# Altium PCB 小车PCB升级1.PcbDoc (part 4 of 4)
Units mm, origin at the board's own origin, x right, y up, seen from the top; angles counter-clockwise.
Board outline 300 x 206 mm, 2 copper layers (Top Layer, Bottom Layer); 354 components, 360 nets, 1479 pads, 401 vias.
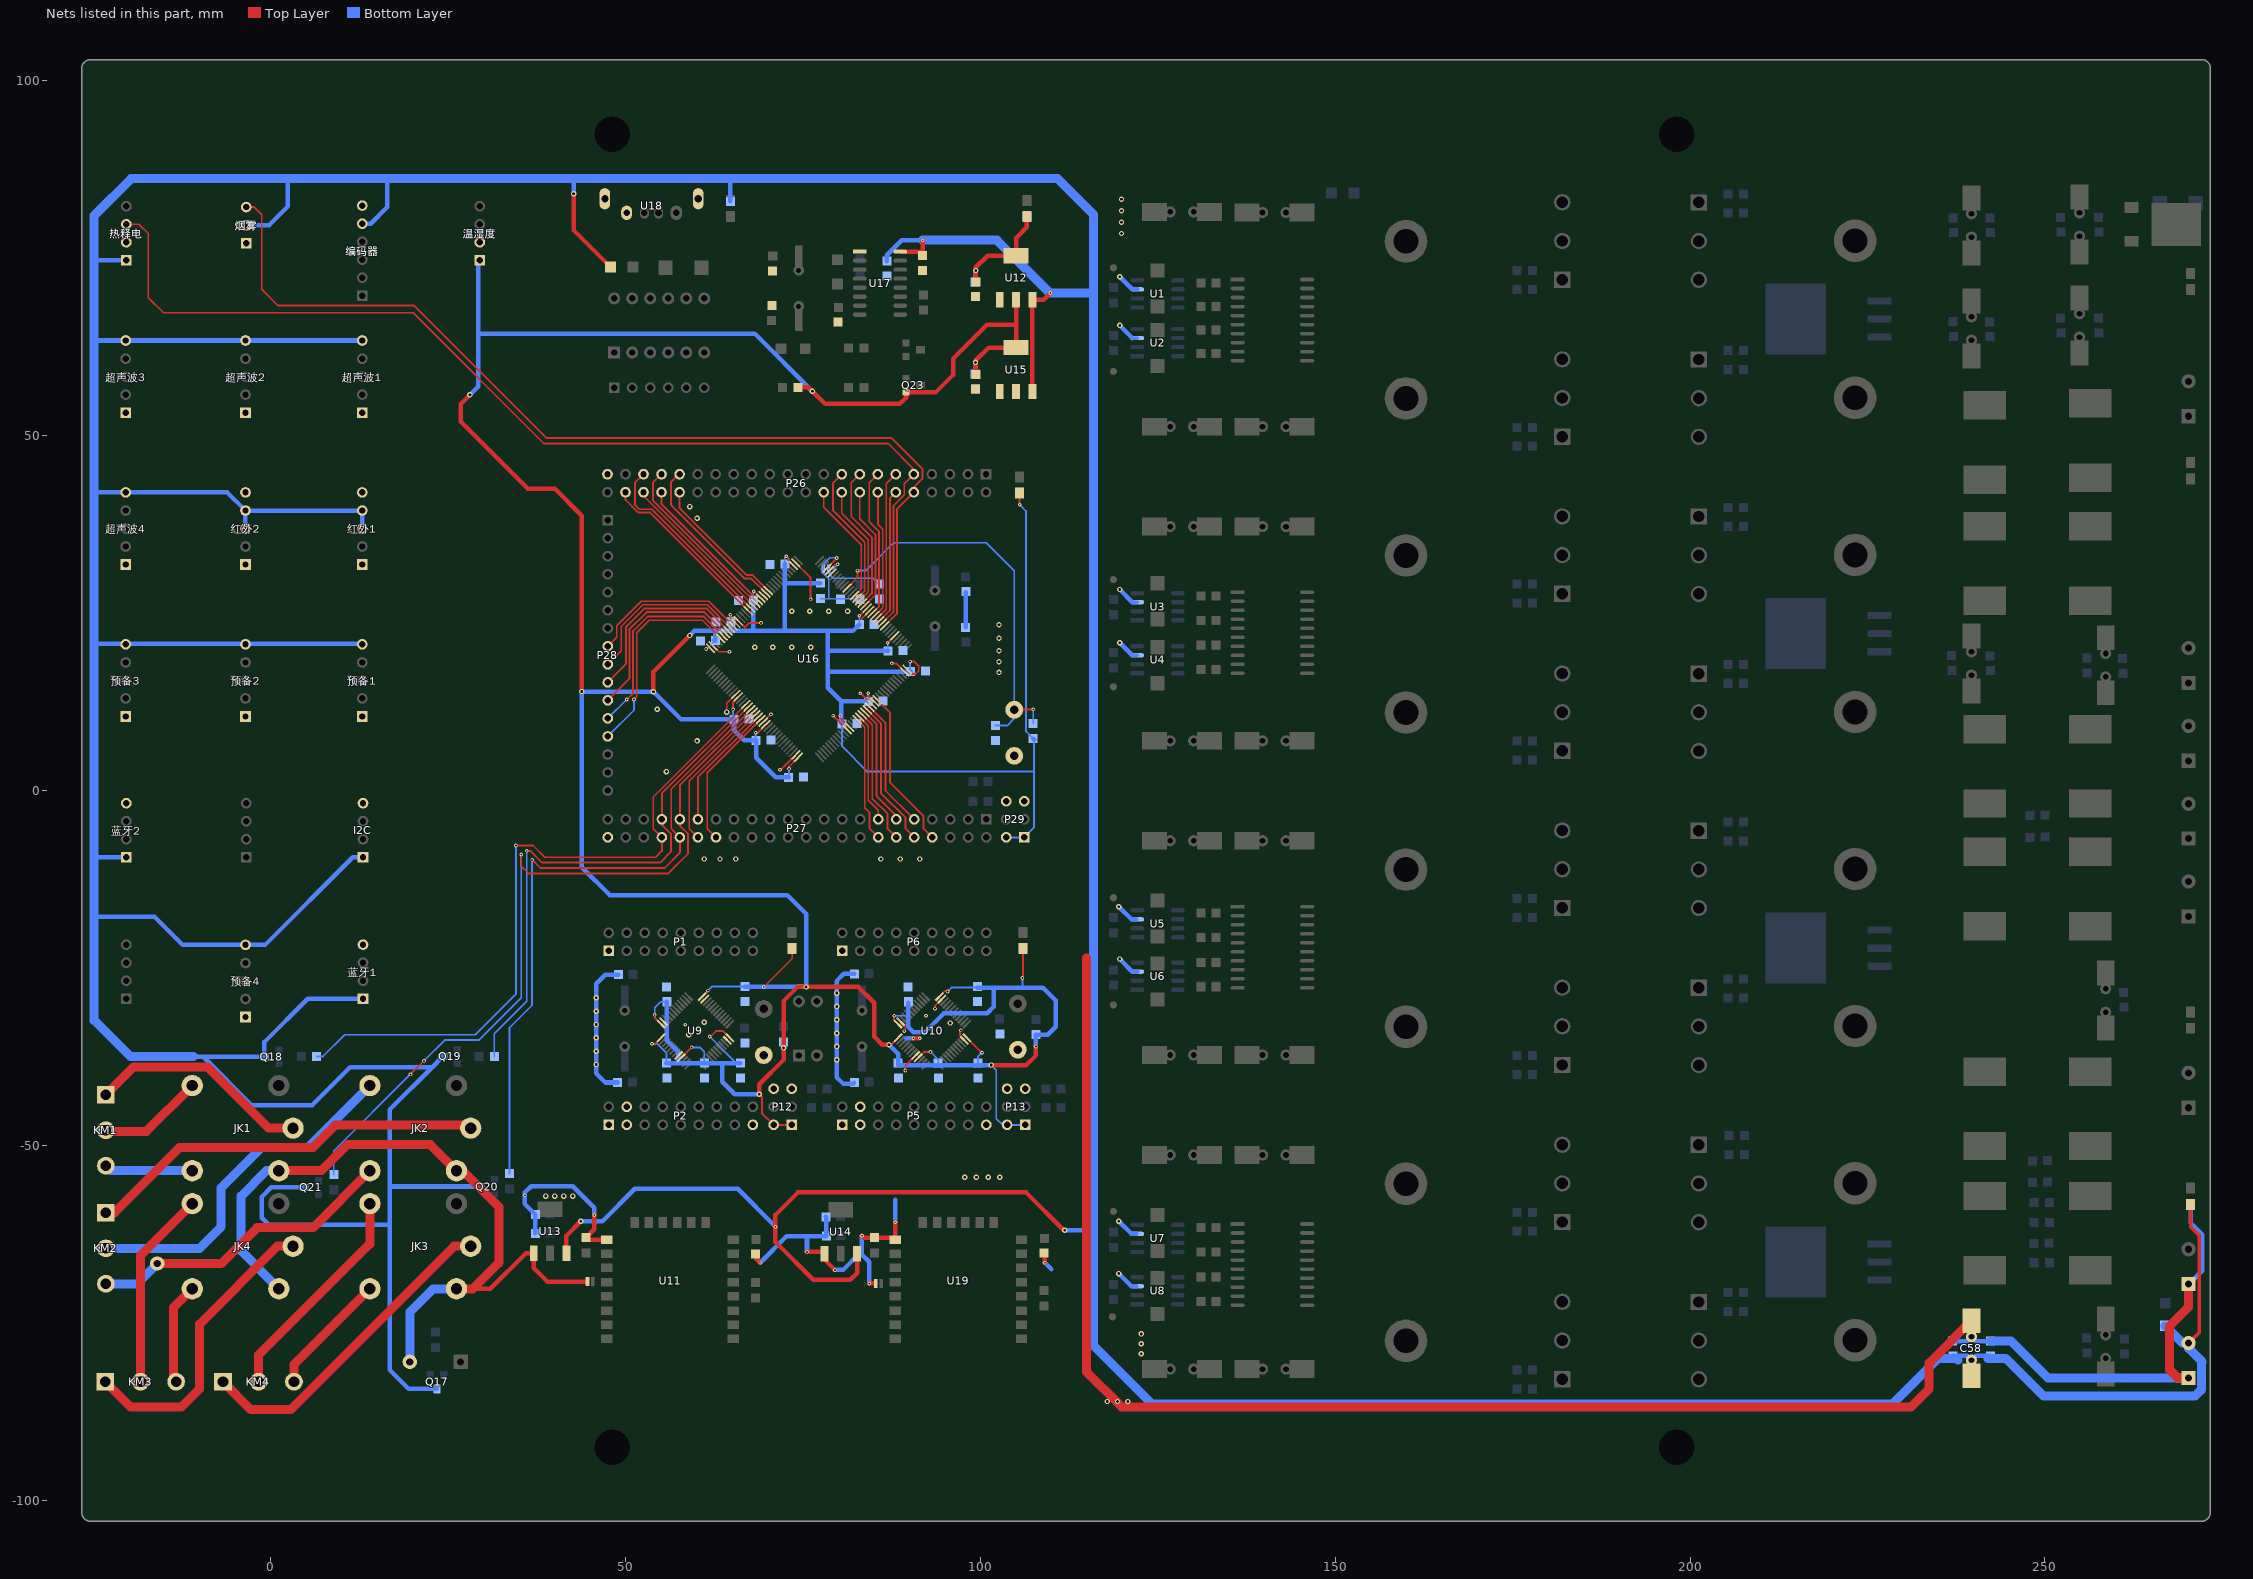
[diagram p4: the nets of this part, all layers, seen from the top]

## Via types
v1: diameter 0.508, hole 0.254, Top Layer to Bottom Layer, 231 vias
v2: diameter 0.762, hole 0.381, Top Layer to Bottom Layer, 119 vias
v3: diameter 3, hole 1.5, Top Layer to Bottom Layer, 29 vias
v4: diameter 6, hole 6, Top Layer to Bottom Layer, 8 vias
v5: diameter 4, hole 2, Top Layer to Bottom Layer, 8 vias
v6: diameter 1.27, hole 0.635, Top Layer to Bottom Layer, 2 vias
v7: diameter 0.381, hole 0.203, Top Layer to Bottom Layer, 1 vias
v8: diameter 2, hole 1, Top Layer to Bottom Layer, 1 vias
v9: diameter 0.762/0.635 (per signal layer), hole 0.381, Top Layer to Bottom Layer, 1 vias
v10: diameter 0.406, hole 0.203, Top Layer to Bottom Layer, 1 vias

## Nets (pads, with @x,y where several pads share a name; then routed paths per layer and width w, separated by ;. In a path a pad name is that pad's centre, name@x,y a point inside that pad or via, vN(x,y) a via of type N, cw(c..) or ccw(c..) an arc to the next point about the centre after c; other vN are vias at no path point) (continued)
PE10: P28.8 U16.63 | length 22.9
  Top Layer w0.254: P28.8@47.498,20.32 48.768,21.59 48.768,23.241 52.197,26.67 61.708,26.67 63.627,24.751 63.627,24.74 63.983,24.384 63.994,24.384 U16.63@65.159,23.22 U16.63@65.338,23.04
PE11: P28.9 U16.64 | length 24.4
  Top Layer w0.254: P28.9@47.498,17.78 49.403,19.685 49.403,23.114 52.451,26.162 61.509,26.162 U16.64@64.985,22.687
PE12: P28.10 U16.65 | length 25.9
  Top Layer w0.254: P28.10@47.498,15.24 50.038,17.78 50.038,22.987 52.705,25.654 61.341,25.654 64.631,22.364 U16.65@64.631,22.333
PE13: P28.11 U16.66 | length 27.3
  Top Layer w0.254: P28.11@47.498,12.7 50.546,15.748 50.546,22.733 52.959,25.146 61.111,25.146 U16.66@64.277,21.979
PE14: P28.12 U16.67 | length 28.7
  Top Layer w0.254: v1(50.165,12.827) 51.054,13.716 51.054,22.479 53.086,24.511 61.039,24.511 U16.67@63.744,21.806 U16.67@63.924,21.626
  Bottom Layer w0.254: P28.12@47.498,10.16 v1(50.165,12.827)
PE15: P28.13 U16.68 | length 30.2
  Top Layer w0.254: v1(51.181,12.827) 51.562,13.208 51.562,22.225 53.34,24.003 60.84,24.003 U16.68@63.391,21.452 U16.68@63.57,21.272
  Bottom Layer w0.254: P28.13@47.498,7.62 51.181,11.303 v1(51.181,12.827)
PF0: P26.10 U16.10 烟雾.3 | length 141.3
  Top Layer w0.254: 烟雾.3@-3.471,82.216 -2.333,82.216 -1.27,81.153 -1.27,70.612 1.016,68.326 20.193,68.326 38.862,49.657 87.503,49.657 91.821,45.339 91.821,43.942 90.628,42.749 P26.10@90.628,42.037 88.265,39.674 88.265,24.966 U16.10@86.339,23.04
PF1: P26.9 U16.11 热释电.3 | length 154.4
  Top Layer w0.254: 热释电.3@-20.347,79.801 -18.578,79.801 -17.263,78.486 -17.263,69.46 -15.113,67.31 20.066,67.31 38.481,48.895 86.995,48.895 90.628,45.262 P26.9@90.628,44.577 89.281,43.23 89.281,41.656 87.757,40.132 87.757,25.165 U16.11@85.986,23.394
PF2: P26.12 U16.12 | length 19.3
  Top Layer w0.254: U16.12@85.632,23.747 87.249,25.364 87.249,41.198 P26.12@88.088,42.037
PF3: P26.11 U16.13 | length 21.6
  Top Layer w0.254: U16.13@85.279,24.101 U16.13@85.458,24.28 86.741,25.563 86.741,43.23 P26.11@88.088,44.577
PF4: P26.14 U16.14 | length 18.4
  Top Layer w0.254: U16.14@84.925,24.454 U16.14@85.105,24.634 86.233,25.762 86.233,36.83 85.548,37.515 P26.14@85.548,42.037
PF5: P26.13 U16.15 | length 21.3
  Top Layer w0.254: U16.15@84.571,24.808 U16.15@84.751,24.988 85.725,25.961 85.725,36.449 84.328,37.846 84.328,43.357 P26.13@85.548,44.577
PF6: P26.16 U16.18 | length 17.8
  Top Layer w0.254: P26.16@83.008,42.037 83.008,38.277 85.217,36.068 85.217,27.575 U16.18@83.69,26.048 U16.18@83.511,25.869
PF7: P26.15 U16.19 | length 20.7
  Top Layer w0.254: P26.15@83.008,44.577 81.788,43.357 81.788,38.608 84.709,35.687 84.709,27.774 U16.19@83.337,26.402 U16.19@83.157,26.222
PF8: P26.18 U16.20 | length 17.6
  Top Layer w0.254: P26.18@80.468,42.037 80.468,39.039 84.201,35.306 84.201,27.973 U16.20@82.983,26.755 U16.20@82.804,26.576
PF9: P26.17 U16.21 | length 20.5
  Top Layer w0.254: P26.17@80.468,44.577 79.248,43.357 79.248,39.437 83.693,34.992 83.693,28.172 U16.21@82.63,27.109 U16.21@82.45,26.929
PF10: P26.20 U16.22 | length 17.4
  Top Layer w0.254: P26.20@77.928,42.037 77.928,39.928 83.21,34.646 83.21,28.397 U16.22@82.276,27.462 U16.22@82.097,27.283
PF11: P26.36 U16.49 | length 19.8
  Top Layer w0.254: P26.36@57.608,42.037 57.608,39.801 67.056,30.353 67.925,30.353 U16.49@70.108,28.169 U16.49@70.288,27.99
PF12: P26.35 U16.50 | length 23.5
  Top Layer w0.254: P26.35@57.608,44.577 57.531,44.577 56.388,43.434 56.388,40.259 66.785,29.862 67.708,29.862 U16.50@69.802,27.769
PF13: P26.38 U16.53 | length 21.2
  Top Layer w0.254: P26.38@55.068,42.037 55.068,40.334 68.826,26.576 U16.53@68.874,26.576
PF14: P26.37 U16.54 | length 24.9
  Top Layer w0.254: P26.37@55.068,44.577 53.848,43.357 53.848,40.894 U16.54@68.52,26.222
PF15: P26.40 U16.55 | length 22.6
  Top Layer w0.254: P26.40@52.528,42.037 52.528,41.507 U16.55@68.167,25.869
PG0: P26.39 U16.56 | length 27.4
  Top Layer w0.254: P26.39@52.528,44.577 51.308,43.357 51.308,40.259 51.943,39.624 53.704,39.624 U16.56@67.633,25.695 U16.56@67.813,25.515
PG1: P26.42 U16.57 | length 25.1
  Top Layer w0.254: P26.42@49.988,42.037 49.988,40.944 51.778,39.154 53.467,39.154 U16.57@67.28,25.341 U16.57@67.459,25.161
PG2: P27.38 R85.1 U16.87 | length 101.1
  Top Layer w0.254: v1(34.544,-7.747) 36.957,-7.747 38.608,-9.398 54.229,-9.398 55.118,-8.509 P27.38@55.118,-6.604 53.898,-5.384 53.898,-0.916 U16.87@67.106,12.292
  Bottom Layer w0.254: R85.1@6.477,-37.465 7.366,-37.465 10.414,-34.417 28.829,-34.417 34.544,-28.702 v1(34.544,-7.747)
PG3: P27.37 R86.1 U16.88 | length 78.7
  Top Layer w0.254: v1(36.068,-8.509) 36.576,-8.509 38.227,-10.16 54.864,-10.16 56.388,-8.636 56.388,-6.096 55.118,-4.826 P27.37@55.118,-4.064 55.118,-0.403 U16.88@67.459,11.939
  Bottom Layer w0.254: R86.1@31.496,-37.465 31.496,-34.29 36.068,-29.718 v1(36.068,-8.509)
PG4: P27.36 R87.1 U16.89 | length 93.3
  Top Layer w0.254: v1(36.83,-9.779) 37.973,-10.922 55.499,-10.922 57.658,-8.763 P27.36@57.658,-6.604 56.438,-5.384 56.438,0.21 U16.89@67.633,11.405 U16.89@67.813,11.585
  Bottom Layer w0.254: R87.1@33.655,-53.975 33.655,-33.401 36.83,-30.226 v1(36.83,-9.779)
PG5: P27.35 R88.1 U16.90 | length 110.5
  Top Layer w0.254: v1(19.685,-40.005) v1(21.59,-38.1) ; v1(35.306,-9.017) 35.306,-10.668 36.322,-11.684 56.007,-11.684 58.801,-8.89 58.801,-6.096 57.658,-4.953 P27.35@57.658,-4.064 57.658,0.723 U16.90@68.167,11.231
  Bottom Layer w0.254: R88.1@8.89,-54.102 8.89,-50.8 v1(19.685,-40.005) ; v1(21.59,-38.1) 24.511,-35.179 29.337,-35.179 35.306,-29.21 v1(35.306,-9.017)
PG6: P27.34 U16.91 | length 21.9
  Top Layer w0.254: P27.34@60.198,-6.604 58.978,-5.384 58.978,1.335 U16.91@68.52,10.878
PG7: P27.33 U16.92 | length 18.2
  Top Layer w0.254: P27.33@60.198,-4.064 60.198,1.849 U16.92@68.694,10.345 U16.92@68.874,10.524
PG8: P27.32 U16.93 | length 20.5
  Top Layer w0.254: P27.32@62.738,-6.604 61.518,-5.384 61.518,2.472 69.216,10.171 U16.93@69.227,10.171
PG9: P27.14 U16.124 | length 18.1
  Top Layer w0.254: U16.124@82.45,10.171 83.693,8.928 83.693,-2.413 84.378,-3.098 84.378,-5.384 P27.14@85.598,-6.604
PG10: P27.13 U16.125 | length 15.7
  Top Layer w0.254: U16.125@82.804,10.524 U16.125@82.983,10.345 84.201,9.127 84.201,-1.397 85.598,-2.794 P27.13@85.598,-4.064
PG11: P27.12 U16.126 | length 19.5
  Top Layer w0.254: U16.126@83.157,10.878 84.759,9.277 84.759,-1.143 86.918,-3.302 86.918,-5.384 P27.12@88.138,-6.604
PG12: P27.11 U16.127 | length 17.2
  Top Layer w0.254: U16.127@83.511,11.231 85.344,9.398 85.344,-0.762 88.138,-3.556 P27.11@88.138,-4.064
PG13: P27.10 U16.128 | length 21
  Top Layer w0.254: U16.128@83.864,11.585 85.979,9.47 85.979,-0.381 89.458,-3.86 89.458,-5.384 P27.10@90.678,-6.604
PG14: P27.9 U16.129 | length 18.7
  Top Layer w0.254: U16.129@84.218,11.939 86.614,9.542 86.614,0 P27.9@90.678,-4.064
PG15: P27.8 U16.132 | length 22.9
  Top Layer w0.254: U16.132@85.279,12.999 87.249,11.029 87.249,1.143 91.998,-3.606 91.998,-5.384 P27.8@93.218,-6.604
RESET: C93.1 key3.1 R101.1 U16.25 | length 57
  Top Layer w0.254: U16.25@81.216,28.523 82.677,29.985 v1(82.677,30.988) ; key3.1@104.775,11.378 104.827,11.43 v1(107.442,11.43)
  Bottom Layer w0.254: v1(82.677,30.988) 83.82,30.988 87.757,34.925 100.838,34.925 104.775,30.988 key3.1@104.775,11.378 104.775,10.16 103.759,9.144 C93.1@102.108,9.144 ; R101.1@107.442,9.465 v1(107.442,11.43)
VCC3.3V: +3V.1 C36.2 C37.2 C38.2 C39.2 C40.2 C41.2 C42.2 C43.2 C44.2 C45.2 C61.2 C62.2 C63.2 C64.2 C74.1 C81.2 C82.2 C83.2 C84.2 C85.2 C86.2 C87.2 C88.2 C89.2 C90.2 C91.2 LED5.1 LED6.1 LED10.1 P12.1 P12.2 P13.1 P13.2 P29.1 P29.2 Q23.2 R74.2 R75.2 R92.2 R98.2 R101.2 U9.1 U9.9 U9.24 U9.36 U9.48 U10.1 U10.9 U10.24 U10.36 U10.48 U12.2 U15.2 U16.6 U16.17 U16.39 U16.52 U16.62 U16.72 U16.84 U16.95 U16.108 U16.121 U16.131 U16.144 温湿度.1 | length 735.7
  Top Layer w0.254: v1(53.721,-35.687) 54.16,-35.687 U9.1@55.004,-34.843 ; v1(54.102,-31.623) 54.102,-32.032 U9.48@55.004,-32.934 ; U9.9@57.832,-37.671 v1(59.309,-36.195) ; U9.36@60.802,-29.045 61.595,-28.252 v1(61.595,-28.194) ; v1(61.341,19.939) 61.44,20.038 U16.72@61.977,20.038 ; v1(61.849,-34.671) 61.976,-34.671 62.738,-33.909 63.757,-33.909 U9.24@64.691,-34.843 ; v1(64.77,24.765) 64.77,24.315 U16.62@65.512,23.573 ; v1(65.151,11.43) 65.151,12.459 U16.84@65.866,13.173 ; v1(68.072,28.084) U16.52@69.227,26.929 ; v1(68.326,8.128) 68.599,8.128 U16.95@69.755,9.284 ; v2(68.834,-42.799) 69.215,-43.18 69.215,-45.466 P12.2@70.866,-47.117 P12.1@73.406,-47.117 ; v1(69.469,-27.686) 73.481,-23.674 LED5.1@73.481,-22.277 ; v1(72.644,33.02) 72.964,32.7 72.964,32.385 U16.39@73.644,31.705 ; v1(73.025,3.048) 73.025,3.362 U16.108@74.351,4.688 ; v1(80.264,10.541) 80.264,10.236 U16.121@81.389,9.11 ; v1(82.931,24.638) 82.987,24.638 U16.17@84.044,25.695 ; v1(84.201,13.716) 84.201,13.37 U16.131@85.105,12.466 ; v1(86.956,20.828) U16.6@87.933,21.806 ; v2@87.434,-35.814 U10.1@88.405,-34.843 ; v1(87.884,-31.748) 87.807,-31.825 87.807,-32.336 U10.48@88.405,-32.934 ; U16.144@89.701,17.062 90.349,16.414 90.842,16.414 91.322,16.894 91.322,17.535 90.696,18.161 v1(90.098,18.161) ; U10.9@91.233,-37.671 92.074,-36.83 v1(92.964,-36.83) ; U10.36@94.203,-29.045 94.996,-28.252 95.446,-28.252 v1(95.377,-28.321) ; U10.24@98.092,-34.843 v1(100.206,-36.957) ; LED10.1@105.507,41.91 105.507,40.289 v1(105.537,40.259) ; v1(105.918,-26.416) 106.015,-26.319 LED6.1@106.015,-22.277
  Top Layer w0.635: v2(28.067,55.753) 26.797,54.483 26.797,51.943 36.195,42.545 40.005,42.545 43.84,38.71 v2(43.84,13.945) ; v2(53.925,13.92) 53.925,16.714 v2(59.055,21.844) ; v2@68.834,-42.672 68.834,-41.402 72.263,-37.973 v2(72.263,-36.276) 72.263,-29.654 74.231,-27.686 v2(75.438,-27.686) 82.804,-27.686 85.026,-29.909 85.026,-34.671 86.169,-35.814 v2(87.122,-35.814) ; R92.2@74.295,56.821 75.767,56.821 v2(76.327,56.261) 78.105,54.483 88.646,54.483 89.535,55.372 Q23.2@89.535,56.148 ; Q23.2@89.535,56.161 Q23.2@89.535,56.148 ; C61.2@99.365,58.632 v2@99.365,60.325 ; v2@99.365,60.63 101.144,62.409 U15.2@105.033,62.409 105.033,65.659 ; C63.2@99.365,71.679 v2(99.365,73.279) 99.365,73.711 101.017,75.363 U12.2@105.033,75.363 105.033,77.855 106.553,79.375 +3V.1@106.553,80.874 ; v2(101.524,-38.684) 106.477,-38.684 107.823,-37.338 v1(107.823,-36.068) ; U12.2@105.033,69.163 105.033,65.659 ; Q23.2@89.535,56.148 93.74,56.148 96.139,58.547 96.139,60.833 100.965,65.659 105.033,65.659
  Bottom Layer w0.254: v1(53.721,-35.687) 54.483,-35.687 55.753,-36.957 C41.2@55.753,-38.43 ; v1(54.102,-31.623) 54.102,-30.607 54.94,-29.769 C38.2@55.804,-29.769 ; v1(59.309,-36.195) 60.452,-36.195 61.087,-36.83 C40.2@61.087,-38.43 ; v1(61.341,19.939) 61.468,19.939 C91.2@62.662,21.133 ; v1(61.595,-28.194) 62.154,-27.635 C36.2@66.802,-27.635 ; v1(61.849,-34.671) C39.2@65.608,-38.43 ; C91.2@62.23,21.209 C91.2@62.281,21.158 ; 62.662,22.403 62.738,22.479 ; v1(64.77,24.765) 64.821,24.714 C86.2@64.821,23.8 ; 64.821,22.555 64.897,22.479 ; v1(65.151,11.43) 65.151,10.16 C88.2@65.278,10.033 ; C74.1@67.996,26.848 67.996,28.008 v1(68.072,28.084) ; v1(68.326,8.128) 68.326,7.137 C90.2@68.402,7.061 ; C89.2@72.441,31.928 72.441,32.817 v1(72.644,33.02) ; C85.2@72.974,1.854 73.025,1.905 v1(73.025,3.048) ; C83.2@80.518,9.398 80.518,6.223 84.074,2.667 107.569,2.667 ; C84.2@82.931,23.368 v1(82.931,24.638) ; C87.2@84.201,12.573 v1(84.201,13.716) ; C81.2@86.956,19.724 v1(86.956,20.828) ; v1(87.884,-31.748) 89.715,-31.748 89.84,-31.623 ; v1(90.098,18.161) 90.098,17.09 90.297,16.891 C82.2@90.17,16.764 ; v1(92.964,-36.83) 94.056,-37.922 C45.2@94.056,-38.43 ; v1(95.377,-28.321) 95.936,-27.762 C43.2@99.568,-27.762 ; C42.2@99.644,-38.684 C42.2@99.644,-38.43 99.644,-37.516 v1@100.203,-36.957 ; v2(101.524,-38.684) 102.235,-39.395 102.235,-46.228 103.124,-47.117 P13.2@103.759,-47.117 P13.1@106.299,-47.117 ; P29.2@103.632,-6.604 P29.1@106.172,-6.604 107.569,-5.207 107.569,2.667 ; v1(105.537,40.259) 106.426,39.37 106.426,8.322 R101.2@107.442,7.306 ; 105.918,-27.762 v1(105.918,-26.416) ; R101.2@107.569,7.179 107.569,2.667
  Bottom Layer w0.635: v2(28.067,55.753) 29.21,56.896 29.21,64.389 ; 温湿度.1@29.464,74.721 29.21,74.467 29.21,64.389 ; C41.2@55.753,-38.43 57.404,-38.43 ; C38.2@55.804,-29.769 55.804,-35.23 57.404,-36.83 57.404,-38.43 ; v2(59.055,21.844) 59.69,22.479 62.738,22.479 64.897,22.479 68.072,22.479 ; C91.2@62.662,21.133 62.662,22.403 ; 64.821,22.555 C86.2@64.821,23.8 ; C39.2@66.167,-38.43 65.608,-38.43 63.5,-38.43 ; C36.2@66.802,-27.635 75.387,-27.635 v2(75.438,-27.686) 75.438,-17.399 72.771,-14.732 47.752,-14.732 43.815,-10.795 43.84,-10.77 v2(43.84,13.945) 43.865,13.92 v2(53.925,13.92) 57.812,10.033 C88.2@65.278,10.033 65.278,8.509 66.726,7.061 C90.2@68.402,7.061 68.402,4.623 71.171,1.854 C85.2@72.974,1.854 ; C74.1@67.996,26.848 67.996,22.555 68.072,22.479 ; v2(68.834,-42.799) 65.405,-42.799 63.627,-41.021 63.627,-38.557 63.5,-38.43 ; C89.2@72.441,31.928 72.441,29.21 ; v2(76.327,56.261) 68.199,64.389 29.21,64.389 ; R98.2@77.445,29.21 72.441,29.21 ; C83.2@80.518,9.398 80.391,9.525 80.391,12.573 ; C84.2@82.931,23.368 82.042,22.479 78.74,22.479 ; C87.2@84.201,12.573 80.391,12.573 ; C81.2@86.956,19.724 C81.2@86.956,19.685 ; C81.2@86.995,19.685 C81.2@86.956,19.685 ; v2(87.122,-35.814) 88.392,-37.084 C37.2@88.392,-38.43 88.392,-38.684 99.644,-38.684 v2(101.524,-38.684) ; C44.2@89.84,-29.896 89.84,-31.623 89.84,-33.325 90.551,-34.036 92.202,-34.036 94.869,-31.369 100.965,-31.369 101.854,-30.48 101.854,-27.762 ; C82.2@90.17,16.764 78.613,16.764 78.486,16.891 ; C62.2@99.263,58.674 99.263,60.274 v2(99.314,60.325) ; C64.2@99.263,71.679 99.365,71.78 v2(99.365,73.279) ; C43.2@99.568,-27.762 101.854,-27.762 ; v1@100.203,-36.957 v1(100.206,-36.957) ; R101.2@107.442,7.306 R101.2@107.569,7.179 ; v1(107.823,-36.068) R75.2@107.823,-34.417 109.474,-34.417 110.617,-33.274 110.617,-29.591 108.788,-27.762 105.918,-27.762 101.854,-27.762 ; 57.404,-38.43 C40.2@61.087,-38.43 63.5,-38.43 ; 68.072,22.479 72.39,22.479 ; 72.39,22.479 78.74,22.479 ; 72.39,22.479 72.441,22.53 72.441,29.21 ; 78.486,16.891 78.486,14.478 80.391,12.573 ; 78.486,16.891 78.486,19.685 ; 78.486,19.685 78.486,22.225 78.74,22.479 ; 78.486,19.685 C81.2@86.956,19.685
VCC5V: C58.1 C59.2 C60.2 C69.1 C70.1 FU3.2 FU4.1 H8.2 I2C.1 K5V.1 Q17.1 Q18.1 Q19.1 Q20.1 Q21.1 R91.2 U12.3 U13.3 U14.3 U15.3 U17.16 烟雾.2 热释电.1 红外1.3 红外1.4 红外2.3 红外2.4 编码器.5@12.896,79.883 蓝牙1.1 蓝牙2.1 超声波1.5 超声波2.5 超声波3.5 超声波4.5 预备1.5 预备2.5 预备3.5 预备4.5 | length 1166.9
  Top Layer w0.508: H8.2@270.256,-77.851 271.78,-76.327 271.78,-62.738 270.535,-61.493 K5V.1@270.535,-58.318
  Top Layer w0.635: U13.3@41.67,-65.203 41.67,-62.724 v2(43.688,-60.706) ; v2(42.672,84.074) 42.672,78.975 FU4.1@47.879,73.768 ; U14.3@82.627,-65.287 82.627,-67.995 81.661,-68.961 76.454,-68.961 71.12,-63.627 v1(71.12,-61.468) 71.12,-59.817 74.295,-56.642 106.426,-56.642 111.76,-61.976 v2(111.887,-61.976) ; U17.16@88.71,75.946 91.288,75.946 C69.1@91.872,75.362 v1(91.872,77.546) ; U15.3@107.333,56.209 U12.3@107.333,69.163 108.914,69.163 v1(109.855,70.104)
  Bottom Layer w0.635: -24.892,-17.78 -16.383,-17.78 -12.401,-21.762 预备4.5@-3.556,-21.762 -0.807,-21.762 11.557,-9.398 I2C.1@12.996,-9.398 ; -24.892,-9.652 -24.638,-9.398 蓝牙2.1@-20.347,-9.398 ; -24.892,20.701 -3.556,20.701 12.789,20.701 预备1.5@12.896,20.593 ; -24.892,41.783 -24.672,42.003 超声波4.5@-20.447,42.003 -6.115,42.003 红外2.4@-3.562,39.45 ; -24.892,63.119 -24.599,63.412 超声波3.5@-20.447,63.412 超声波2.5@-3.556,63.412 超声波1.5@12.896,63.412 ; -24.892,74.803 -24.81,74.721 热释电.1@-20.347,74.721 ; -10.922,-37.516 -9.525,-37.516 ; 红外2.3@-3.556,36.923 -3.562,36.929 红外2.4@-3.562,39.45 ; 烟雾.2@-3.471,79.676 -0.207,79.676 2.413,82.296 2.413,86.233 ; Q21.1@4.699,-55.931 0.076,-55.931 -1.27,-57.277 -1.27,-60.198 -0.254,-61.214 16.637,-61.214 16.764,-61.087 ; 红外1.3@12.896,36.923 12.89,36.929 红外1.4@12.89,39.45 红外2.4@-3.562,39.45 ; 编码器.5@12.896,79.883 14.097,79.883 16.383,82.169 16.383,86.233 ; 蓝牙1.1@12.996,-29.337 5.207,-29.337 -0.889,-35.433 Q18.1@-0.889,-37.516 -9.525,-37.516 ; Q17.1@23.419,-84.328 19.431,-84.328 16.764,-81.661 16.764,-61.087 ; Q19.1@24.257,-37.465 22.733,-38.989 ; Q20.1@29.464,-55.804 16.967,-55.804 16.764,-56.007 ; 42.545,86.233 42.672,86.106 v2(42.672,84.074) ; v2(43.688,-60.706) 46.736,-60.706 51.308,-56.134 65.786,-56.134 v1(71.12,-61.468) ; R91.2@64.77,83.033 64.77,86.233 ; C70.1@86.817,74.6 86.817,75.438 88.925,77.546 v1(91.872,77.546) ; v2(111.887,-61.976) 115.341,-61.976 115.926,-62.561 ; C59.2@237.033,-79.68 239.061,-79.68 C58.1@239.649,-80.268 240.237,-79.68 C60.2@242.367,-79.68 ; -9.525,-37.516 -2.718,-44.323 5.842,-44.323 11.176,-38.989 22.733,-38.989 ; 16.764,-61.087 16.764,-56.007 ; 16.764,-56.007 16.764,-44.958 22.733,-38.989
  Bottom Layer w1.27: -10.922,-37.516 -19.761,-37.516 -24.892,-32.385 -24.892,-17.78 -24.892,-9.652 -24.892,20.701 -24.892,41.783 -24.892,63.119 -24.892,74.803 -24.892,81.026 -19.685,86.233 2.413,86.233 16.383,86.233 42.545,86.233 64.77,86.233 106.731,86.233 106.757,86.258 110.846,86.258 115.951,81.153 115.951,70.104 ; v1(91.872,77.546) 102.311,77.546 109.753,70.104 v1(109.855,70.104) 115.951,70.104 ; 237.744,-80.264 237.49,-80.01 234.95,-80.01 228.473,-86.487 124.206,-86.487 115.926,-78.207 115.926,-62.561 115.951,-62.535 115.951,70.104 ; C60.2@242.011,-80.01 244.475,-80.01 249.809,-85.344 271.145,-85.344 272.043,-84.446 272.043,-80.636 272.161,-80.518 270.256,-78.613 H8.2@270.256,-77.851 269.367,-77.851 FU3.2@266.954,-75.438
VDDA: C78.2 C79.2 H10.2 R98.1 U16.33 | length 15.3
  Top Layer w0.254: U16.33@78.207,31.172 79.756,32.72 v1(79.756,32.766)
  Bottom Layer w0.203: R98.1@77.445,27.051 78.613,27.051 ; v1(79.756,32.766) 78.74,32.766 77.851,31.877 H10.2@77.851,31.242 77.851,30.607 78.613,29.845 78.613,27.051 ; C79.2@83.066,26.949 82.965,27.051 78.613,27.051
VREF+: C80.2 H10.1 U16.32 | length 11.7
  Top Layer w0.254: U16.32@78.561,30.818 79.62,31.877 v1(79.883,31.877)
  Bottom Layer w0.203: v1(79.883,31.877) 79.248,31.242 H10.1@78.613,31.242 78.613,30.607 79.299,29.921 84.912,29.921 C80.2@85.75,29.083
公共: JK1.3 KM1.1 | length 31.6
  Top Layer w1.27: KM1.1@-23.241,-42.879 -19.351,-38.989 -8.89,-38.989 -0.298,-47.581 JK1.3@3.143,-47.581
公共1: JK2.3 KM2.1 | length 56.7
  Top Layer w1.27: KM2.1@-23.241,-59.516 -22.051,-59.516 -12.827,-50.292 5.969,-50.292 9.144,-47.117 27.706,-47.117 JK2.3@28.17,-47.581
公共2: JK3.3 KM4.1 | length 46.1
  Top Layer w1.27: KM4.1@-6.731,-83.312 -2.794,-87.249 2.794,-87.249 25.825,-64.218 JK3.3@28.17,-64.218
公共3: JK4.3 KM3.1 | length 42.7
  Top Layer w1.27: KM3.1@-23.335,-83.312 -19.779,-86.868 -12.573,-86.868 -10.033,-84.328 -10.033,-75.184 0.933,-64.218 JK4.3@3.143,-64.218
常开: JK1.5 KM1.2 | length 14.9
  Top Layer w1.27: KM1.2@-23.241,-47.879 -23.07,-48.05 -17.526,-48.05 JK1.5@-11.057,-41.581
常开1: JK2.5 KM2.2 | length 49.9
  Bottom Layer w1.27: KM2.2@-23.241,-64.516 -10.033,-64.516 -6.985,-61.468 -6.985,-56.007 -1.27,-50.292 5.259,-50.292 JK2.5@13.97,-41.581
常开2: JK3.5 KM4.2 | length 31.6
  Top Layer w1.27: KM4.2@-1.731,-83.312 -1.731,-79.582 13.97,-63.881 JK3.5@13.97,-58.218
常开3: JK4.5 KM3.2 | length 28.1
  Top Layer w1.27: KM3.2@-18.335,-83.312 -18.335,-65.496 JK4.5@-11.057,-58.218
常闭: JK1.4 KM1.3 | length 12.5
  Bottom Layer w1.27: KM1.3@-23.241,-52.879 -22.539,-53.581 JK1.4@-11.057,-53.581
常闭1: JK2.4 KM2.3 | length 43.8
  Top Layer w1.27: v8(-16.002,-66.675) -6.985,-66.675 -1.905,-61.595 5.956,-61.595 JK2.4@13.97,-53.581
  Bottom Layer w1.27: KM2.3@-23.241,-69.516 -18.843,-69.516 v8(-16.002,-66.675)
常闭2: JK3.4 KM4.3 | length 17.5
  Top Layer w1.27: KM4.3@3.269,-83.312 3.269,-80.919 JK3.4@13.97,-70.218
常闭3: JK4.4 KM3.3 | length 14.4
  Top Layer w1.27: KM3.3@-13.335,-83.312 -13.716,-82.931 -13.716,-72.877 JK4.4@-11.057,-70.218
控地: BEEP1.2 C36.1 C37.1 C38.1 C39.1 C40.1 C41.1 C42.1 C43.1 C44.1 C45.1 C47.1 C49.1 C51.2 C52.2 C53.1 C55.1 C57.1 C58.2 C59.1 C60.1 C61.1 C62.1 C63.1 C64.1 C65.1 C66.1 C67.1 C68.1 C69.2 C70.2 C71.2 C72.1 C73.1 C74.2 C75.1 C76.1 C80.1 C81.1 C82.1 C83.1 C84.1 C85.1 C86.1 C87.1 C88.1 C89.1 C90.1 C91.1 C92.1 C93.2 H7.1 H8.1 H9.1 H11.1 I2C.4 JK1.1 JK2.1 JK3.1 JK4.1 key1.2 key2.2 key3.2 P1.1 P2.1 P2.3 P2.4 P2.17 P5.1 P5.3 P5.4 P5.17 P6.1 P12.5 P12.6 P13.5 P13.6 P26.43 P27.44 P29.5 P29.6 R81.1 R83.1 R84.1 R100.1 U1.3 U2.3 U3.3 U4.3 U5.3 U6.3 U7.3 U8.3 U9.8 U9.23 U9.35 U9.47 U10.8 U10.23 U10.35 U10.47 U11.15 U12.1 U13.1 U14.1 U15.1 U16.16 U16.31 U16.38 U16.51 U16.61 U16.71 U16.83 U16.94 U16.107 U16.120 U16.130 U16.143 U17.1 U18.4 U18.5 U18.6 U19.15 温湿度.2 烟雾.1 热释电.2 红外1.1 红外1.5 红外2.1 红外2.5 编码器.5@12.896,82.423 蓝牙1.4 蓝牙2.4 超声波1.1 超声波2.1 超声波3.1 超声波4.1 预备1.1 预备2.1 预备3.1 预备4.1 | length 550.9
  Top Layer w0.254: U16.71@62.33,20.391 63.163,19.558 v1(64.643,19.558) ; v2(64.262,11.049) 64.262,12.277 U16.83@65.512,13.527 ; U16.61@65.866,23.927 66.805,22.987 67.44,23.622 v1(69.088,23.622) ; U16.94@69.401,9.638 v1(70.485,10.721) ; U16.51@69.401,27.462 U16.51@69.581,27.283 ; v1(71.755,2.921) 71.877,2.921 U16.107@73.997,5.041 ; U16.38@73.997,32.059 76.073,29.983 v1(76.073,26.924) ; v1(79.248,10.541) 79.251,10.541 U16.120@81.216,8.577 ; v1(83.058,13.716) 83.148,13.716 U16.130@84.751,12.113 ; 83.185,24.129 U16.16@84.397,25.341 ; v1(87.503,17.907) 88.149,17.907 U16.143@89.347,16.709 ; U10.47@88.758,-32.58 89.408,-33.23 89.408,-33.826 v1@89.263,-33.97 ; v1@89.281,-33.953 v1(89.281,-33.909) ; v1(89.437,-39.458) 89.432,-39.458 89.408,-39.434 89.408,-38.789 U10.8@90.879,-37.318 ; v1(93.599,-30.734) 93.599,-30.356 U10.35@94.556,-29.398 ; 97.166,-34.525 97.166,-34.624 U10.23@97.738,-35.196 ; 97.167,-34.525 97.141,-34.499 97.141,-33.923 v1(97.258,-33.806)
  Top Layer w0.508: U13.1@37.07,-66.04 U13.1@37.07,-65.203
  Top Layer w0.635: 28.461,-70.218 30.945,-70.218 35.96,-65.203 U13.1@37.07,-65.203 ; U13.1@37.07,-66.04 37.07,-67.296 38.989,-69.215 44.323,-69.215 ; v1(45.593,-59.817) 45.593,-61.849 R81.1@44.45,-62.992 44.737,-63.279 U11.15@47.371,-63.279 ; C57.1@68.326,-65.329 68.326,-65.913 v1(68.961,-66.548) ; v1(75.565,-65.024) 77.764,-65.024 U14.1@78.027,-65.287 78.027,-66.089 v1(79.502,-67.564) ; v1(83.312,-62.738) 83.566,-62.992 R100.1@85.09,-62.992 87.704,-62.992 U19.15@87.991,-63.279 87.991,-60.853 v1(88.011,-60.833) ; v1(84.328,-69.469) H11.1@85.269,-69.469 ; v1(90.551,-34.925) v1(91.44,-34.925) ; C92.1@108.966,-65.202 109.093,-65.329 v1(109.093,-66.548)
  Top Layer w1.27: JK1.1@1.143,-53.581 7.125,-53.581 10.795,-49.911 22.5,-49.911 JK2.1@26.17,-53.581 27.038,-53.581 32.131,-58.674 32.131,-66.548 28.461,-70.218 JK3.1@26.17,-70.218 ; 114.935,-23.622 114.935,-81.915 119.888,-86.868 231.14,-86.868 233.68,-84.328 233.68,-80.7 C58.2@239.649,-74.731 ; H8.1@270.256,-82.771 268.699,-82.771 267.589,-81.661 267.589,-75.438 270.256,-72.771 H9.1@270.256,-69.563
  Bottom Layer w0.254: v1(89.281,-33.909) 89.285,-33.909 89.347,-33.97 v1@89.446,-33.871
  Bottom Layer w0.508: C49.1@82.093,-41.3 C49.1@82.245,-41.148 ; U4.3@121.412,19.05 U4.3@122.111,19.05 ; U3.3@121.412,26.543 U3.3@122.111,26.543 ; U2.3@121.412,63.754 U2.3@122.111,63.754
  Bottom Layer w0.635: C66.1@37.287,-62.408 C65.1@37.287,-59.741 35.814,-58.268 v1(35.814,-57.023) 35.814,-56.642 36.703,-55.753 42.545,-55.753 45.593,-58.801 v1(45.593,-59.817) ; C47.1@48.895,-41.148 47.117,-41.148 45.847,-39.878 45.847,-27.229 47.117,-25.959 C53.1@48.971,-25.959 ; v1(68.961,-66.548) 72.72,-62.789 75.565,-62.789 ; v1(75.565,-65.024) 75.565,-62.789 ; C67.1@78.232,-60.071 78.288,-60.127 C68.1@78.288,-62.789 75.565,-62.789 ; v1(79.502,-67.564) 80.645,-67.564 83.058,-65.151 83.312,-65.405 ; C49.1@82.093,-41.3 80.645,-41.3 79.731,-40.386 79.731,-26.848 80.747,-25.832 C55.1@82.245,-25.832 ; v1(83.312,-62.738) 83.312,-65.405 ; v1(84.328,-69.469) 84.328,-66.421 83.312,-65.405 ; v1(88.011,-60.833) 88.011,-57.658 ; 89.535,-34.925 v1(90.551,-34.925) ; C72.1@97.917,22.987 C73.1@97.917,27.965 ; v1(109.093,-66.548) 109.982,-67.437 ; v2(119.507,-68.072) 121.285,-69.85 U8.3@121.983,-69.85 ; v2(119.507,-60.706) 121.285,-62.484 U7.3@121.983,-62.484 ; v2(119.507,-16.383) 121.285,-18.161 U5.3@121.983,-18.161 ; v2(119.634,-23.749) 121.412,-25.527 U6.3@122.111,-25.527 ; v2(119.634,20.828) U4.3@121.412,19.05 ; v2(119.634,28.321) U3.3@121.412,26.543 ; v2(119.634,65.532) U2.3@121.412,63.754 ; v2(119.634,72.39) 121.412,70.612 U1.3@122.111,70.612 ; C59.1@236.982,-77.597 239.018,-77.597 C58.2@239.649,-76.966 240.28,-77.597 C60.1@242.316,-77.597 ; H9.1@270.256,-69.563 272.161,-67.658 272.161,-62.611 270.535,-60.985 R84.1@270.535,-58.166
  Bottom Layer w1.27: JK4.1@1.143,-70.218 -4.191,-64.884 -4.191,-57.15 -0.622,-53.581 JK1.1@1.143,-53.581 ; BEEP1.2@19.594,-80.518 19.594,-73.497 22.873,-70.218 JK3.1@26.17,-70.218 ; C60.1@242.316,-77.597 245.237,-77.597 250.411,-82.771 H8.1@270.256,-82.771
  other v1: 58.42,-33.02 92.329,-31.75
  other v2: 117.856,-86.106 119.316,-86.106 120.777,-86.106 122.682,-79.375 122.682,-77.978 122.682,-76.581 38.735,-57.15 40.005,-57.15 41.275,-57.15 42.545,-57.15 97.79,-54.483 99.441,-54.483 101.092,-54.483 102.743,-54.483 45.847,-38.608 79.756,-37.948 45.847,-36.728 79.756,-36.068 45.847,-34.849 58.928,-34.417 79.756,-34.188 45.847,-32.969 61.087,-32.639 79.756,-32.309 45.847,-31.09 79.756,-30.429 45.847,-29.21 79.756,-28.55 61.087,-9.652 63.309,-9.652 65.532,-9.652 85.979,-9.652 88.709,-9.652 91.44,-9.652 55.753,2.667 60.071,6.985 54.483,11.43 102.616,16.637 102.616,18.161 102.616,19.685 68.199,20.193 70.739,20.193 73.406,20.193 76.073,20.193 102.616,21.463 102.616,23.368 73.406,25.273 75.946,25.273 78.613,25.273 81.28,25.273 60.071,38.354 59.055,40.005 119.888,78.486 119.888,80.095 119.888,81.703 119.888,83.312
  other v9: 95.758,-32.766
pads on no net: D11.1 P26.33 Q1.4 Q2.4 Q3.4 Q4.4 Q5.4 Q6.4 Q7.4 Q8.4 Q9.4 Q10.4 Q11.4 Q12.4 Q13.4 Q14.4 Q15.4 Q16.4 R96.1 U1.1 U1.4 U2.1 U2.4 U3.1 U3.4 U4.1 U4.4 U5.1 U5.4 U6.1 U6.4 U7.1 U7.4 U8.1 U8.4 U9.34 U9.37 U10.34 U10.37 U11.2 U11.4 U11.5 U11.6 U11.7 U11.9 U11.10 U11.11 U11.12 U11.13 U11.14 U11.17 U11.19 U11.20 U16.103 U16.106 U17.9 U17.10 U17.11 U17.12 U17.15 U19.2 U19.4 U19.5 U19.6 U19.7 U19.9 U19.10 U19.11 U19.12 U19.13 U19.14 U19.17 U19.19 U19.20 热释电.4 超声波1.2 超声波2.2 超声波3.2 超声波4.2 预备1.2 预备2.2 预备3.2 预备4.2
copper on no net: | length 0.7
  Bottom Layer w0.508: 121.412,68.072 122.111,68.072
  other v4: 110.341,-92.51 135.341,-92.51 -14.645,-92.484 261.341,-92.484 110.338,92.489 135.338,92.489 -14.648,92.515 261.338,92.515

## Polygon pours and split planes (outlines as drawn)
控地 on Top Layer "AutoNaming" (solid, remove dead copper, pour order 4): -26.698,86.442 122.902,86.442 123.283,86.442 123.283,63.709 123.283,-86.278 123.283,-86.659 108.17,-86.659 108.17,-73.07 108.17,-60.116 108.17,-58.338 30.954,-58.338 30.827,-58.211 30.827,-38.272 -26.571,-38.272 -26.698,-38.399
GND on Top Layer "AutoNaming" (solid, remove dead copper, pour order 6): 125.984,86.487 132.715,86.487 273.177,86.487 273.177,83.312 273.177,-86.487 273.304,-86.614 251.333,-86.614 125.73,-86.614
控地 on Bottom Layer "AutoNaming" (solid, remove dead copper, pour order 2): -26.698,86.442 122.902,86.442 123.283,86.442 123.283,63.709 123.283,-86.278 123.283,-86.659 108.17,-86.659 108.17,-73.07 108.17,-60.116 108.17,-58.338 30.954,-58.338 30.827,-58.211 30.827,-38.272 -26.571,-38.272 -26.698,-38.399
GND on Bottom Layer "AutoNaming" (solid, remove dead copper, pour order 8): 125.984,86.487 132.715,86.487 273.177,86.487 273.177,83.312 273.177,-86.487 273.304,-86.614 251.333,-86.614 125.73,-86.614

## Keep-outs
Keep-Out Layer:
  lines w0.127: -26.664,0 -26.664,92.5 ; -25.49,-102.997 272.116,-102.997 ccw(c272.001,-101.664) 273.329,-101.822 ; -25.49,-102.99 cw(c-25.332,-101.663) -26.664,-101.777 -26.664,101.829 cw(c-25.336,101.671) -25.451,103.003 272.167,103.003 ; 272.18,103.003 cw(c272.022,101.676) 273.335,101.928 273.335,-101.822

## Other copper
Top Layer:
  rectangle net GND: 268.478,55.626 271.78,59.69
  rectangle net NetL9_2: 253.365,37.846 259.461,43.053
  rectangle net NetL11_1: 238.506,37.973 244.602,42.799
  rectangle net ESPVCC1: 38.735,-64.135 40.005,-59.69
  rectangle net ESPVCC2: 79.629,-64.262 81.026,-59.817
  rectangle net IC12V: 260.731,81.026 263.779,83.947
  rectangle net Net1_3: 260.731,76.073 263.779,78.74
  rectangle net F12V: 123.952,65.659 125.984,67.31
  rectangle net IC12V: 238.379,56.007 240.919,59.563
  rectangle net +12V: 253.365,51.435 258.572,52.578
  rectangle net +12V: 257.302,6.604 259.842,15.367
  rectangle net GND: 238.379,6.604 241.046,13.081
  rectangle net NetC18_2: 253.492,-6.731 259.334,-3.81
  rectangle net NetC18_1: 238.506,-7.493 244.475,-3.937
  rectangle net NetC20_2: 257.429,-24.003 259.715,-17.145
  rectangle net NetC22_1: 238.633,-56.896 244.475,-51.943
  rectangle net NetC22_2: 253.365,-56.007 259.461,-51.816
  rectangle net MCU12V: 257.302,-72.771 259.842,-65.659
  rectangle net MCU: 254.381,-81.788 259.842,-79.248
  rectangle net NetC18_1: 238.506,-3.937 244.475,-3.175
  rectangle net +12V: 263.652,48.895 266.065,52.197
  rectangle net +12V: 238.379,18.669 241.554,20.193
  rectangle net F12V: 123.952,20.447 125.984,23.241
  rectangle net F12V: 123.952,-23.876 125.984,-21.463
  rectangle net F12V: 123.952,-68.326 125.984,-65.786
  rectangle net F12V: 145.669,-67.691 147.193,-65.913
  rectangle net F12V: 145.161,-67.691 145.923,-66.04
  rectangle net F12V: 145.161,65.532 147.066,66.904
  rectangle net F12V: 145.161,21.336 147.066,23.114
  rectangle net F12V: 145.161,-22.733 146.939,-21.336
  rectangle net VCC3.3V: 104.335,70.188 105.732,74.633
  rectangle net VCC3.3V: 104.335,57.234 105.732,61.679
  rectangle net VCC3.3V: 104.521,62.738 105.537,68.199
  rectangle net GND: 264.16,75.565 268.986,83.947
  rectangle net GND: 197.866,-84.963 204.216,-80.518
  rectangle net GND: 180.213,-73.66 184.277,-70.104
  rectangle net GND: 198.755,-40.64 203.454,-36.322
  rectangle net GND: 180.594,-29.464 183.896,-26.035
  rectangle net GND: 179.997,-28.959 180.813,-26.856
  rectangle net GND: 199.39,3.556 203.2,7.493
  rectangle net GND: 180.213,14.859 184.658,18.288
  rectangle net GND: 199.39,48.006 203.2,51.816
  rectangle net GND: 180.187,59.139 183.896,62.611
  pour cut-out: 88.982,18.924 88.982,18.813 89.021,18.775 89.408,19.162 89.408,19.177 89.281,19.177 89.154,19.304
Bottom Layer:
  rectangle net GND: 268.478,55.626 271.78,59.69
  rectangle net MCU: 255.27,-81.153 261.874,-78.74
  rectangle net MCU: 261.874,-81.153 265.303,-78.74
  rectangle net 控地: 236.347,-78.232 243.84,-76.073
  rectangle net VCC5V: 236.474,-81.026 243.078,-78.994
  rectangle net IC12V: 236.474,62.611 242.951,64.643
  rectangle net +12V: 251.587,63.119 258.318,65.151
  rectangle net NetDF1_2: 219.075,65.913 225.425,66.929
  rectangle net NetDF2_2: 219.075,21.59 225.044,22.606
  rectangle net NetDF3_2: 218.948,-22.733 225.044,-21.717
  rectangle net NetDF4_2: 219.075,-66.929 225.044,-65.913
  rectangle net +12V: 224.536,67.818 228.854,70.104
  rectangle net +12V: 224.409,62.738 228.854,65.024
  rectangle net +12V: 224.409,-25.781 228.854,-23.495
  rectangle net +12V: 224.536,-20.701 228.854,-18.415
  rectangle net +12V: 224.409,-69.977 228.854,-67.691
  rectangle net +12V: 224.536,-64.897 228.854,-62.611
  rectangle net +12V: 228.854,62.738 234.188,70.104
  rectangle net NetDF1_2: 218.821,65.532 228.473,67.31
  rectangle net NetDF2_2: 218.821,21.336 228.473,23.114
  rectangle net +12V: 228.854,-25.781 234.188,-18.415
  rectangle net NetDF3_2: 218.821,-22.987 228.473,-21.209
  rectangle net +12V: 228.854,-69.977 234.188,-62.611
  rectangle net NetDF4_2: 218.821,-67.183 228.473,-65.405
  rectangle net +12V: 228.854,18.542 234.188,25.908
  rectangle net +12V: 224.536,23.622 228.854,25.908
  rectangle net +12V: 224.409,18.542 228.854,20.828
  rectangle net GND: 198.501,-85.217 203.454,-81.661
  rectangle net GND: 179.451,-74.168 184.15,-70.104
  rectangle net GND: 198.12,-41.402 203.048,-37.085
  rectangle net GND: 179.959,-29.972 184.15,-26.035
  rectangle net GND: 199.627,3.81 203.073,6.985
  rectangle net GND: 200.152,6.744 202.422,7.747
  rectangle net GND: 179.959,14.859 185.547,18.034
  rectangle net GND: 199.898,48.133 203.708,50.292
  rectangle net GND: 199.644,48.768 202.311,51.562
  rectangle net GND: 201.803,50.165 203.2,51.181
  rectangle net GND: 180.213,58.547 185.039,62.357
  pour cut-out: 155.956,81.407 163.957,81.407 163.957,73.279 155.956,73.279
  pour cut-out: 155.956,59.273 163.957,59.273 163.957,51.145 155.956,51.145
  pour cut-out: 155.956,37.138 163.957,37.138 163.957,29.01 155.956,29.01
  pour cut-out: 155.956,15.004 163.957,15.004 163.957,6.876 155.956,6.876
  pour cut-out: 155.956,-7.13 163.957,-7.13 163.957,-15.258 155.956,-15.258
  pour cut-out: 155.956,-29.264 163.957,-29.264 163.957,-37.392 155.956,-37.392
  pour cut-out: 155.956,-51.399 163.957,-51.399 163.957,-59.527 155.956,-59.527
  pour cut-out: 155.956,-73.533 163.957,-73.533 163.957,-81.661 155.956,-81.661
  pour cut-out: 219.253,-73.452 227.254,-73.452 227.254,-81.58 219.253,-81.58
  pour cut-out: 219.253,-51.318 227.254,-51.318 227.254,-59.446 219.253,-59.446
  pour cut-out: 219.253,-29.184 227.254,-29.184 227.254,-37.312 219.253,-37.312
  pour cut-out: 219.253,-7.049 227.254,-7.049 227.254,-15.177 219.253,-15.177
  pour cut-out: 219.253,15.085 227.254,15.085 227.254,6.957 219.253,6.957
  pour cut-out: 219.253,37.219 227.254,37.219 227.254,29.091 219.253,29.091
  pour cut-out: 219.253,59.354 227.254,59.354 227.254,51.226 219.253,51.226
  pour cut-out: 219.253,81.488 227.254,81.488 227.254,73.36 219.253,73.36
  pour cut-out: 108.041,-14.136 108.038,-14.139 108.038,-15.406 107.867,-15.406 107.574,-15.113 107.823,-14.864 107.823,-14.224

## Silkscreen, mask and mechanical layers (free items; w line width, h text height)
Top Overlay:
  drawing of 653 lines, arcs and shapes, not listed
  text "安防小车控制&驱动板" at 26.797,65.532 h6 r270
  text "NO" at -17.348,-46.736 h2 r270
  text "NC" at -17.326,-51.943 h2 r270
  text "NO" at -17.348,-63.373 h2 r270
  text "NC" at -17.326,-68.58 h2 r270
  text "NC" at -14.271,-77.397 h2
  text "NC" at 2.333,-77.397 h2
  text "NO" at -19.478,-77.419 h2
  text "NO" at -2.874,-77.419 h2
Bottom Overlay:
  lines w1: -26.06,86.97 0.457,86.97 ; -26.035,-86.995 247.193,-86.995 ; -0.559,86.995 272.669,86.995 ; 247.142,-86.995 272.745,-86.995

## Text inside footprints (layer, text, board x,y; h text height)
L1: Top Overlay "12X12" at 257.81,5.639 h1 r270
L2: Top Overlay "12X12" at 257.81,-11.633 h1 r270
L3: Top Overlay "12X12" at 257.81,-42.621 h1 r270
L4: Top Overlay "12X12" at 257.81,-60.147 h1 r270
L5: Top Overlay "12X12" at 242.926,5.639 h1 r270
L6: Top Overlay "12X12" at 242.926,-11.633 h1 r270
L7: Top Overlay "12X12" at 242.926,-42.621 h1 r270
L8: Top Overlay "12X12" at 242.926,-60.147 h1 r270
L9: Top Overlay "12X12" at 257.81,51.548 h1 r270
L10: Top Overlay "12X12" at 257.81,34.214 h1 r270
L11: Top Overlay "12X12" at 240.132,46.812 h1 r90
L12: Top Overlay "12X12" at 240.132,29.732 h1 r90
SW1: Top Overlay "ON" at 74.676,-31.75 h1.52
SW2: Top Overlay "ON" at 48.641,67.31 h1.52
U18: Top Overlay "GND" at 49.769,84.811 h0.76 r270; Top Overlay "D +" at 52.283,84.811 h0.76 r270; Top Overlay "D -" at 54.315,84.811 h0.76 r270; Top Overlay "VCC" at 56.779,84.811 h0.76 r270